# KiCad board OTTOdiy_SMD.kicad_pcb
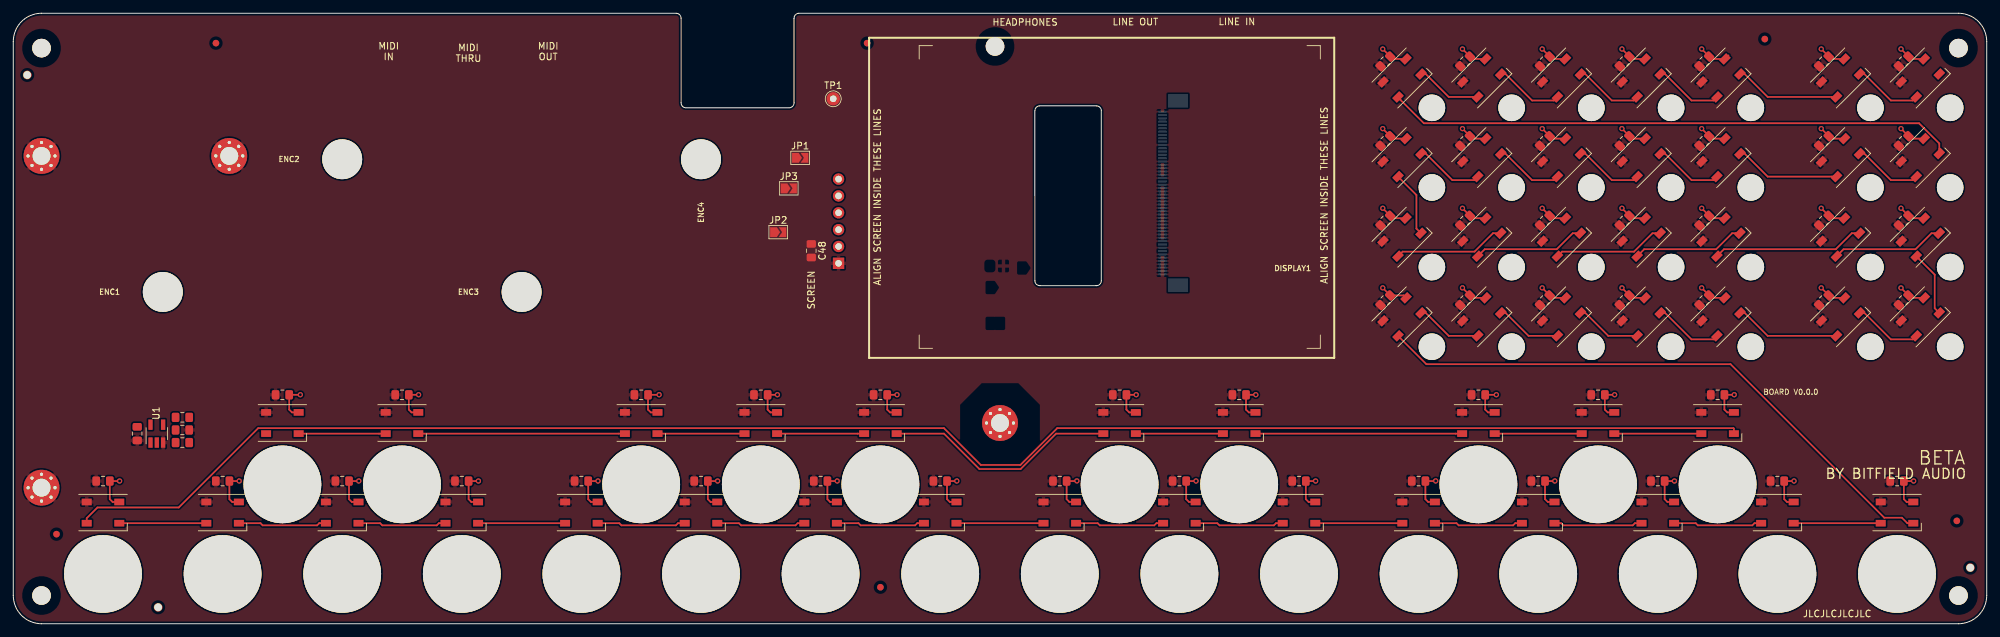
[diagram p0: board, top side]
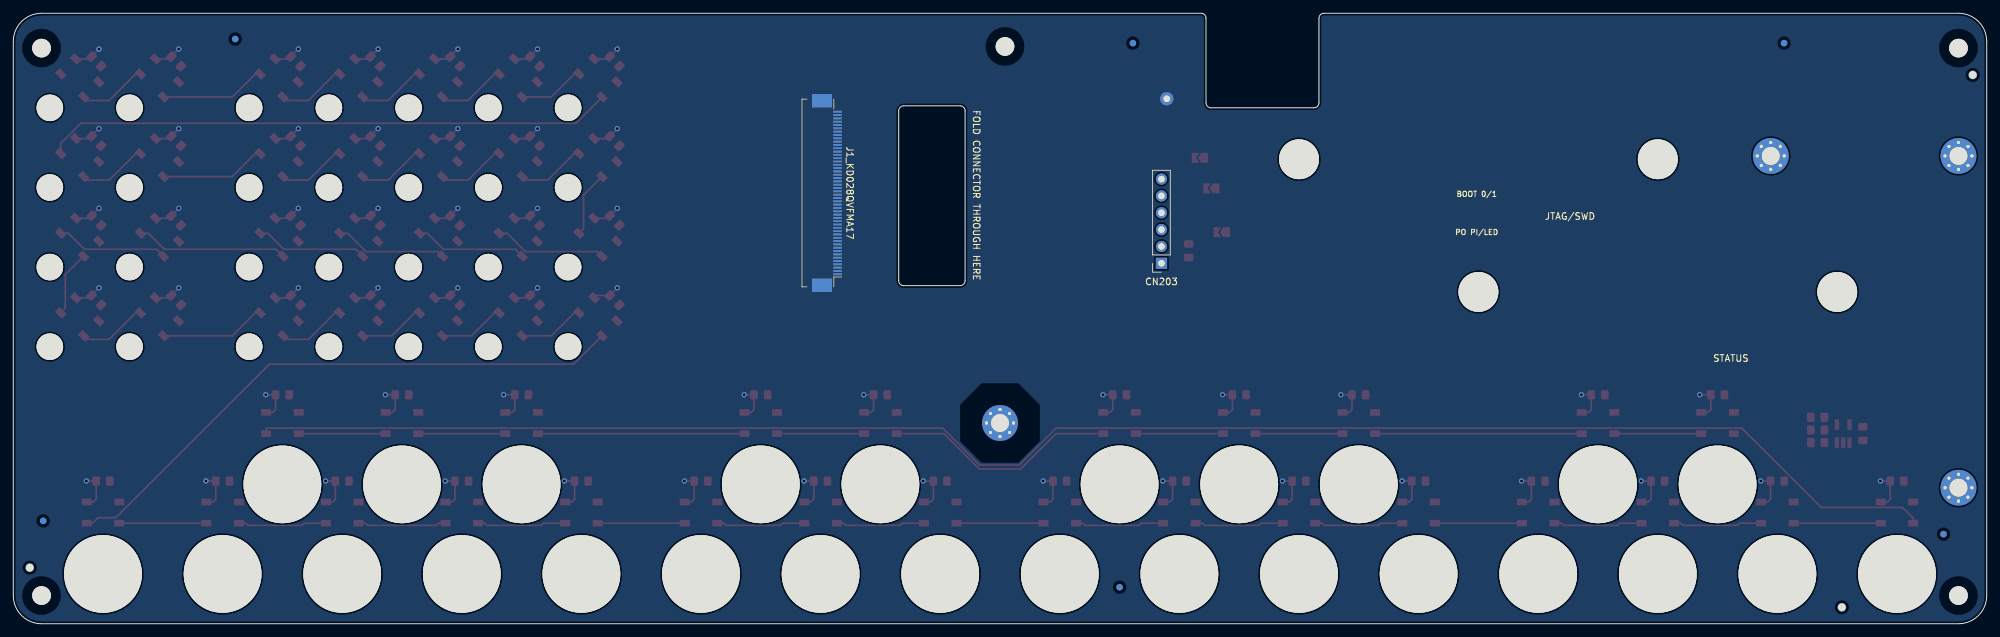
[diagram p1: board, bottom side, seen from below]

Outline 297 x 92 mm; copper layers: Top, Bottom. Coordinates in mm from the lower left corner of the outline.
Outline path: 0,87.75 0,4.25 arc(1.24,1.24) 4.25,0 292.75,0 arc(295.76,1.24) 297,4.25 297,87.75 arc(295.76,90.76) 292.75,92 118.25,92 arc(117.72,91.78) 117.5,91.25 117.5,78.5 arc(117.28,77.97) 116.75,77.75 101.25,77.75 arc(100.72,77.97) 100.5,78.5 100.5,91.25 arc(100.28,91.78) 99.75,92 4.25,92 arc(1.24,90.76) 0,87.75 ; 153.75,77.3 153.75,51.7 arc(153.97,51.17) 154.5,50.95 163,50.95 arc(163.53,51.17) 163.75,51.7 163.75,77.3 arc(163.53,77.83) 163,78.05 154.5,78.05 arc(153.97,77.83) 153.75,77.3

## Placement (name value [footprint] x y rotation side)
C1  100nF  [C_0805_2012Metric_Pad1.15x1.40mm_HandSolder]  13.5 21.5 180 top
C2  100nF  [C_0805_2012Metric_Pad1.15x1.40mm_HandSolder]  31.5 21.5 180 top
C3  100nF  [C_0805_2012Metric_Pad1.15x1.40mm_HandSolder]  49.5 21.5 180 top
C4  100nF  [C_0805_2012Metric_Pad1.15x1.40mm_HandSolder]  67.5 21.5 180 top
C5  100nF  [C_0805_2012Metric_Pad1.15x1.40mm_HandSolder]  85.5 21.5 180 top
C6  100nF  [C_0805_2012Metric_Pad1.15x1.40mm_HandSolder]  103.5 21.5 180 top
C7  100nF  [C_0805_2012Metric_Pad1.15x1.40mm_HandSolder]  121.5 21.5 180 top
C8  100nF  [C_0805_2012Metric_Pad1.15x1.40mm_HandSolder]  139.5 21.5 180 top
C9  100nF  [C_0805_2012Metric_Pad1.15x1.40mm_HandSolder]  157.5 21.5 180 top
C10  100nF  [C_0805_2012Metric_Pad1.15x1.40mm_HandSolder]  175.5 21.5 180 top
C11  100nF  [C_0805_2012Metric_Pad1.15x1.40mm_HandSolder]  193.5 21.5 180 top
C12  100nF  [C_0805_2012Metric_Pad1.15x1.40mm_HandSolder]  211.5 21.5 180 top
C13  100nF  [C_0805_2012Metric_Pad1.15x1.40mm_HandSolder]  229.5 21.5 180 top
C14  100nF  [C_0805_2012Metric_Pad1.15x1.40mm_HandSolder]  247.5 21.5 180 top
C15  100nF  [C_0805_2012Metric_Pad1.15x1.40mm_HandSolder]  265.5 21.5 180 top
C16  100nF  [C_0805_2012Metric_Pad1.15x1.40mm_HandSolder]  283.5 21.5 180 top
C17  100nF  [C_0805_2012Metric_Pad1.15x1.40mm_HandSolder]  40.5 34.5 180 top
C18  100nF  [C_0805_2012Metric_Pad1.15x1.40mm_HandSolder]  58.5 34.5 180 top
C19  100nF  [C_0805_2012Metric_Pad1.15x1.40mm_HandSolder]  94.5 34.5 180 top
C20  100nF  [C_0805_2012Metric_Pad1.15x1.40mm_HandSolder]  112.5 34.5 180 top
C21  100nF  [C_0805_2012Metric_Pad1.15x1.40mm_HandSolder]  130.5 34.5 180 top
C22  100nF  [C_0805_2012Metric_Pad1.15x1.40mm_HandSolder]  166.5 34.5 180 top
C23  100nF  [C_0805_2012Metric_Pad1.15x1.40mm_HandSolder]  184.5 34.5 180 top
C24  100nF  [C_0805_2012Metric_Pad1.15x1.40mm_HandSolder]  220.5 34.5 180 top
C25  100nF  [C_0805_2012Metric_Pad1.15x1.40mm_HandSolder]  238.5 34.5 180 top
C26  100nF  [C_0805_2012Metric_Pad1.15x1.40mm_HandSolder]  256.5 34.5 180 top
C27  100nF  [C_0805_2012Metric_Pad1.15x1.40mm_HandSolder]  206.5 48.75 225 top
C28  100nF  [C_0805_2012Metric_Pad1.15x1.40mm_HandSolder]  218.5 48.75 225 top
C29  100nF  [C_0805_2012Metric_Pad1.15x1.40mm_HandSolder]  230.5 48.75 225 top
C30  100nF  [C_0805_2012Metric_Pad1.15x1.40mm_HandSolder]  242.5 48.75 225 top
C31  100nF  [C_0805_2012Metric_Pad1.15x1.40mm_HandSolder]  254.5 48.75 225 top
C32  100nF  [C_0805_2012Metric_Pad1.15x1.40mm_HandSolder]  272.5 48.75 225 top
C33  100nF  [C_0805_2012Metric_Pad1.15x1.40mm_HandSolder]  284.5 48.75 225 top
C34  100nF  [C_0805_2012Metric_Pad1.15x1.40mm_HandSolder]  206.5 60.75 225 top
C35  100nF  [C_0805_2012Metric_Pad1.15x1.40mm_HandSolder]  218.5 60.75 225 top
C36  100nF  [C_0805_2012Metric_Pad1.15x1.40mm_HandSolder]  230.5 60.75 225 top
C37  100nF  [C_0805_2012Metric_Pad1.15x1.40mm_HandSolder]  242.5 60.75 225 top
C38  100nF  [C_0805_2012Metric_Pad1.15x1.40mm_HandSolder]  254.5 60.75 225 top
C39  100nF  [C_0805_2012Metric_Pad1.15x1.40mm_HandSolder]  272.5 60.75 225 top
C40  100nF  [C_0805_2012Metric_Pad1.15x1.40mm_HandSolder]  284.5 60.75 225 top
C41  100nF  [C_0805_2012Metric_Pad1.15x1.40mm_HandSolder]  206.5 72.75 225 top
C42  100nF  [C_0805_2012Metric_Pad1.15x1.40mm_HandSolder]  218.5 72.75 225 top
C43  100nF  [C_0805_2012Metric_Pad1.15x1.40mm_HandSolder]  230.5 72.75 225 top
C44  100nF  [C_0805_2012Metric_Pad1.15x1.40mm_HandSolder]  242.5 72.75 225 top
C45  100nF  [C_0805_2012Metric_Pad1.15x1.40mm_HandSolder]  254.5 72.75 225 top
C46  100nF  [C_0805_2012Metric_Pad1.15x1.40mm_HandSolder]  272.5 72.75 225 top
C47  100nF  [C_0805_2012Metric_Pad1.15x1.40mm_HandSolder]  284.5 72.75 225 top
C48  100nF  [C_0805_2012Metric_Pad1.15x1.40mm_HandSolder]  120.1 56.21 270 top
C78  100nF  [C_0805_2012Metric_Pad1.15x1.40mm_HandSolder]  18.65 28.65 270 top
C99  100nF  [C_0805_2012Metric_Pad1.15x1.40mm_HandSolder]  206.5 84.75 225 top
C100  100nF  [C_0805_2012Metric_Pad1.15x1.40mm_HandSolder]  218.5 84.75 225 top
C101  100nF  [C_0805_2012Metric_Pad1.15x1.40mm_HandSolder]  230.5 84.75 225 top
C102  100nF  [C_0805_2012Metric_Pad1.15x1.40mm_HandSolder]  242.5 84.75 225 top
C103  100nF  [C_0805_2012Metric_Pad1.15x1.40mm_HandSolder]  254.5 84.75 225 top
C104  100nF  [C_0805_2012Metric_Pad1.15x1.40mm_HandSolder]  272.5 84.75 225 top
C105  100nF  [C_0805_2012Metric_Pad1.15x1.40mm_HandSolder]  284.5 84.75 225 top
CN203  Conn_01x06  [PinSocket_1x06_P2.54mm_Vertical]  124.2 54.31 0 bottom
DISPLAY1  2.8 Inch IPS Display, SPI Interface  [2.8_INCH_IPS_DISPLAY]  163.8 77.31 180 top
ENC1  ALPS EC11E183440C  [ALPS_EC11]  22.5 50 0 top
ENC2  ALPS EC11E183440C  [ALPS_EC11]  49.5 70 0 top
ENC3  ALPS EC11E183440C  [ALPS_EC11]  76.5 50 0 top
ENC4  ALPS EC11E183440C  [ALPS_EC11]  103.5 70 90 top
FID1  Fiducial  [Fiducial_1mm_Mask2mm]  30.5 87.5 0 top
FID2  Fiducial  [Fiducial_1mm_Mask2mm]  6.5 13.5 0 top
FID3  Fiducial  [Fiducial_1mm_Mask2mm]  128.5 87.5 0 top
FID4  Fiducial  [Fiducial_1mm_Mask2mm]  130.5 5.5 0 top
FID5  Fiducial  [Fiducial_1mm_Mask2mm]  263.6 88.11 0 top
FID6  Fiducial  [Fiducial_1mm_Mask2mm]  292.5 15.5 0 top
FID7  Fiducial  [Fiducial_1mm_Mask2mm]  30.5 87.5 0 bottom
FID8  Fiducial  [Fiducial_1mm_Mask2mm]  6.5 13.5 0 bottom
FID9  Fiducial  [Fiducial_1mm_Mask2mm]  128.5 87.5 0 bottom
FID10  Fiducial  [Fiducial_1mm_Mask2mm]  130.5 5.5 0 bottom
FID11  Fiducial  [Fiducial_1mm_Mask2mm]  263.6 88.11 0 bottom
FID12  Fiducial  [Fiducial_1mm_Mask2mm]  292.5 15.5 0 bottom
H1  Tooling Hole  [JLC_TOOLING_HOLE]  2.1 82.7 0 top
H2  Tooling Hole  [JLC_TOOLING_HOLE]  21.8 2.47 0 top
H3  Tooling Hole  [JLC_TOOLING_HOLE]  294.52 8.45 0 top
H201  MountingHole  [Mounting_Hole_M2.5_Loose_Fit]  4.25 4.25 0 top
H202  MountingHole  [Mounting_Hole_M2.5_Loose_Fit]  292.75 4.25 0 top
H203  MountingHole  [Mounting_Hole_M2.5_Loose_Fit]  147.75 87 0 top
H204  MountingHole  [Mounting_Hole_M2.5_Loose_Fit]  4.25 86.75 0 top
H205  MountingHole  [Mounting_Hole_M2.5_Loose_Fit]  292.75 86.75 0 top
H212  MountingHole_Pad  [MountingHole_2.7mm_Pad_Via]  148.5 30.25 0 top
H213  MountingHole_Pad  [MountingHole_2.7mm_Pad_Via]  4.25 70.5 0 top
H214  MountingHole_Pad  [MountingHole_2.7mm_Pad_Via]  32.5 70.5 0 top
H215  MountingHole_Pad  [MountingHole_2.7mm_Pad_Via]  4.25 20.5 0 top
J1_KD028QVFMA17  Conn_02x25_Counter_Clockwise  [F0501-B-50-20T-R]  173.6 64.91 270 bottom
JP1  Jumper_2_Open  [SolderJumper-2_P1.3mm_Open_TrianglePad1.0x1.5mm]  118.43 70.21 0 top
JP2  Jumper_2_Open  [SolderJumper-2_P1.3mm_Open_TrianglePad1.0x1.5mm]  115.13 59.01 0 top
JP3  Jumper_2_Open  [SolderJumper-2_P1.3mm_Open_TrianglePad1.0x1.5mm]  116.7 65.61 0 top
LED1  WS2812D-5  [LED_WS2812B_PLCC4_5.0x5.0mm_P3.2mm]  13.5 16.75 180 top
LED2  WS2812D-5  [LED_WS2812B_PLCC4_5.0x5.0mm_P3.2mm]  31.5 16.75 180 top
LED3  WS2812D-5  [LED_WS2812B_PLCC4_5.0x5.0mm_P3.2mm]  49.5 16.75 180 top
LED4  WS2812D-5  [LED_WS2812B_PLCC4_5.0x5.0mm_P3.2mm]  67.5 16.75 180 top
LED5  WS2812D-5  [LED_WS2812B_PLCC4_5.0x5.0mm_P3.2mm]  85.5 16.75 180 top
LED6  WS2812D-5  [LED_WS2812B_PLCC4_5.0x5.0mm_P3.2mm]  103.5 16.75 180 top
LED7  WS2812D-5  [LED_WS2812B_PLCC4_5.0x5.0mm_P3.2mm]  121.5 16.75 180 top
LED8  WS2812D-5  [LED_WS2812B_PLCC4_5.0x5.0mm_P3.2mm]  139.5 16.75 180 top
LED9  WS2812D-5  [LED_WS2812B_PLCC4_5.0x5.0mm_P3.2mm]  157.5 16.75 180 top
LED10  WS2812D-5  [LED_WS2812B_PLCC4_5.0x5.0mm_P3.2mm]  175.5 16.75 180 top
LED11  WS2812D-5  [LED_WS2812B_PLCC4_5.0x5.0mm_P3.2mm]  193.5 16.75 180 top
LED12  WS2812D-5  [LED_WS2812B_PLCC4_5.0x5.0mm_P3.2mm]  211.5 16.75 180 top
LED13  WS2812D-5  [LED_WS2812B_PLCC4_5.0x5.0mm_P3.2mm]  229.5 16.75 180 top
LED14  WS2812D-5  [LED_WS2812B_PLCC4_5.0x5.0mm_P3.2mm]  247.5 16.75 180 top
LED15  WS2812D-5  [LED_WS2812B_PLCC4_5.0x5.0mm_P3.2mm]  265.5 16.75 180 top
LED16  WS2812D-5  [LED_WS2812B_PLCC4_5.0x5.0mm_P3.2mm]  283.5 16.75 180 top
LED17  WS2812D-5  [LED_WS2812B_PLCC4_5.0x5.0mm_P3.2mm]  40.5 30.25 180 top
LED18  WS2812D-5  [LED_WS2812B_PLCC4_5.0x5.0mm_P3.2mm]  58.5 30.25 180 top
LED19  WS2812D-5  [LED_WS2812B_PLCC4_5.0x5.0mm_P3.2mm]  94.5 30.25 180 top
LED20  WS2812D-5  [LED_WS2812B_PLCC4_5.0x5.0mm_P3.2mm]  112.5 30.25 180 top
LED21  WS2812D-5  [LED_WS2812B_PLCC4_5.0x5.0mm_P3.2mm]  130.5 30.25 180 top
LED22  WS2812D-5  [LED_WS2812B_PLCC4_5.0x5.0mm_P3.2mm]  166.5 30.25 180 top
LED23  WS2812D-5  [LED_WS2812B_PLCC4_5.0x5.0mm_P3.2mm]  184.5 30.25 180 top
LED24  WS2812D-5  [LED_WS2812B_PLCC4_5.0x5.0mm_P3.2mm]  220.5 30.25 180 top
LED25  WS2812D-5  [LED_WS2812B_PLCC4_5.0x5.0mm_P3.2mm]  238.5 30.25 180 top
LED26  WS2812D-5  [LED_WS2812B_PLCC4_5.0x5.0mm_P3.2mm]  256.5 30.25 180 top
LED27  WS2812D-5  [LED_WS2812B_PLCC4_5.0x5.0mm_P3.2mm]  209 46.25 225 top
LED28  WS2812D-5  [LED_WS2812B_PLCC4_5.0x5.0mm_P3.2mm]  221 46.25 225 top
LED29  WS2812D-5  [LED_WS2812B_PLCC4_5.0x5.0mm_P3.2mm]  233 46.25 225 top
LED30  WS2812D-5  [LED_WS2812B_PLCC4_5.0x5.0mm_P3.2mm]  245 46.25 225 top
LED31  WS2812D-5  [LED_WS2812B_PLCC4_5.0x5.0mm_P3.2mm]  257 46.25 225 top
LED32  WS2812D-5  [LED_WS2812B_PLCC4_5.0x5.0mm_P3.2mm]  275 46.25 225 top
LED33  WS2812D-5  [LED_WS2812B_PLCC4_5.0x5.0mm_P3.2mm]  287 46.25 225 top
LED34  WS2812D-5  [LED_WS2812B_PLCC4_5.0x5.0mm_P3.2mm]  209 58.25 225 top
LED35  WS2812D-5  [LED_WS2812B_PLCC4_5.0x5.0mm_P3.2mm]  221 58.25 225 top
LED36  WS2812D-5  [LED_WS2812B_PLCC4_5.0x5.0mm_P3.2mm]  233 58.25 225 top
LED37  WS2812D-5  [LED_WS2812B_PLCC4_5.0x5.0mm_P3.2mm]  245 58.25 225 top
LED38  WS2812D-5  [LED_WS2812B_PLCC4_5.0x5.0mm_P3.2mm]  257 58.25 225 top
LED39  WS2812D-5  [LED_WS2812B_PLCC4_5.0x5.0mm_P3.2mm]  275 58.25 225 top
LED40  WS2812D-5  [LED_WS2812B_PLCC4_5.0x5.0mm_P3.2mm]  287 58.25 225 top
LED41  WS2812D-5  [LED_WS2812B_PLCC4_5.0x5.0mm_P3.2mm]  209 70.25 225 top
LED42  WS2812D-5  [LED_WS2812B_PLCC4_5.0x5.0mm_P3.2mm]  221 70.25 225 top
LED43  WS2812D-5  [LED_WS2812B_PLCC4_5.0x5.0mm_P3.2mm]  233 70.25 225 top
LED44  WS2812D-5  [LED_WS2812B_PLCC4_5.0x5.0mm_P3.2mm]  245 70.25 225 top
LED45  WS2812D-5  [LED_WS2812B_PLCC4_5.0x5.0mm_P3.2mm]  257 70.25 225 top
LED46  WS2812D-5  [LED_WS2812B_PLCC4_5.0x5.0mm_P3.2mm]  275 70.25 225 top
LED47  WS2812D-5  [LED_WS2812B_PLCC4_5.0x5.0mm_P3.2mm]  287 70.25 225 top
LED48  WS2812D-5  [LED_WS2812B_PLCC4_5.0x5.0mm_P3.2mm]  209 82.25 225 top
LED49  WS2812D-5  [LED_WS2812B_PLCC4_5.0x5.0mm_P3.2mm]  221 82.25 225 top
LED50  WS2812D-5  [LED_WS2812B_PLCC4_5.0x5.0mm_P3.2mm]  233 82.25 225 top
LED51  WS2812D-5  [LED_WS2812B_PLCC4_5.0x5.0mm_P3.2mm]  245 82.25 225 top
LED52  WS2812D-5  [LED_WS2812B_PLCC4_5.0x5.0mm_P3.2mm]  257 82.25 225 top
LED53  WS2812D-5  [LED_WS2812B_PLCC4_5.0x5.0mm_P3.2mm]  275 82.25 225 top
LED54  WS2812D-5  [LED_WS2812B_PLCC4_5.0x5.0mm_P3.2mm]  287 82.25 225 top
R11  100k  [R_0805_2012Metric_Pad1.15x1.40mm_HandSolder]  25.45 29.2 0 top
R27  100  [R_0805_2012Metric_Pad1.15x1.40mm_HandSolder]  25.45 27.3 180 top
R208  100  [R_0805_2012Metric_Pad1.15x1.40mm_HandSolder]  25.45 31.1 180 top
SW1  ALPS SKHC  [ALPS_SKHC]  13.5 7.5 270 top
SW2  ALPS SKHC  [ALPS_SKHC]  31.5 7.5 180 top
SW3  ALPS SKHC  [ALPS_SKHC]  49.5 7.5 180 top
SW4  ALPS SKHC  [ALPS_SKHC]  67.5 7.5 180 top
SW5  ALPS SKHC  [ALPS_SKHC]  85.5 7.5 180 top
SW6  ALPS SKHC  [ALPS_SKHC]  103.5 7.5 180 top
SW7  ALPS SKHC  [ALPS_SKHC]  121.5 7.5 180 top
SW8  ALPS SKHC  [ALPS_SKHC]  139.5 7.5 180 top
SW9  ALPS SKHC  [ALPS_SKHC]  157.5 7.5 180 top
SW10  ALPS SKHC  [ALPS_SKHC]  175.5 7.5 180 top
SW11  ALPS SKHC  [ALPS_SKHC]  193.5 7.5 180 top
SW12  ALPS SKHC  [ALPS_SKHC]  211.5 7.5 180 top
SW13  ALPS SKHC  [ALPS_SKHC]  229.5 7.5 180 top
SW14  ALPS SKHC  [ALPS_SKHC]  247.5 7.5 180 top
SW15  ALPS SKHC  [ALPS_SKHC]  265.5 7.5 180 top
SW16  ALPS SKHC  [ALPS_SKHC]  283.5 7.5 270 top
SW17  ALPS SKHC  [ALPS_SKHC]  40.5 21 270 top
SW18  ALPS SKHC  [ALPS_SKHC]  58.5 21 270 top
SW19  ALPS SKHC  [ALPS_SKHC]  94.5 21 270 top
SW20  ALPS SKHC  [ALPS_SKHC]  112.5 21 270 top
SW21  ALPS SKHC  [ALPS_SKHC]  130.5 21 270 top
SW22  ALPS SKHC  [ALPS_SKHC]  166.5 21 270 top
SW23  ALPS SKHC  [ALPS_SKHC]  184.5 21 270 top
SW24  ALPS SKHC  [ALPS_SKHC]  220.5 21 270 top
SW25  ALPS SKHC  [ALPS_SKHC]  238.5 21 270 top
SW26  ALPS SKHC  [ALPS_SKHC]  256.5 21 270 top
SW27  6x6x13mm  [6x6mm_Switch]  213.5 41.75 45 top
SW28  6x6x13mm  [6x6mm_Switch]  225.5 41.75 45 top
SW29  6x6x13mm  [6x6mm_Switch]  237.5 41.75 45 top
SW30  6x6x13mm  [6x6mm_Switch]  249.5 41.75 45 top
SW31  6x6x13mm  [6x6mm_Switch]  261.5 41.75 45 top
SW32  6x6x13mm  [6x6mm_Switch]  279.5 41.75 45 top
SW33  6x6x13mm  [6x6mm_Switch]  291.5 41.75 45 top
SW34  6x6x13mm  [6x6mm_Switch]  213.5 53.75 45 top
SW35  6x6x13mm  [6x6mm_Switch]  225.5 53.75 45 top
SW36  6x6x13mm  [6x6mm_Switch]  237.5 53.75 45 top
SW37  6x6x13mm  [6x6mm_Switch]  249.5 53.75 45 top
SW38  6x6x13mm  [6x6mm_Switch]  261.5 53.75 45 top
SW39  6x6x13mm  [6x6mm_Switch]  279.5 53.75 45 top
SW40  6x6x13mm  [6x6mm_Switch]  291.5 53.75 45 top
SW41  6x6x13mm  [6x6mm_Switch]  213.5 65.75 45 top
SW42  6x6x13mm  [6x6mm_Switch]  225.5 65.75 45 top
SW43  6x6x13mm  [6x6mm_Switch]  237.5 65.75 45 top
SW44  6x6x13mm  [6x6mm_Switch]  249.5 65.75 45 top
SW45  6x6x13mm  [6x6mm_Switch]  261.5 65.75 45 top
SW46  6x6x13mm  [6x6mm_Switch]  279.5 65.75 45 top
SW47  6x6x13mm  [6x6mm_Switch]  291.5 65.75 45 top
SW50  6x6x13mm  [6x6mm_Switch]  213.5 77.75 45 top
SW51  6x6x13mm  [6x6mm_Switch]  225.5 77.75 45 top
SW52  6x6x13mm  [6x6mm_Switch]  237.5 77.75 45 top
SW53  6x6x13mm  [6x6mm_Switch]  249.5 77.75 45 top
SW54  6x6x13mm  [6x6mm_Switch]  261.5 77.75 45 top
SW55  6x6x13mm  [6x6mm_Switch]  279.5 77.75 45 top
SW56  6x6x13mm  [6x6mm_Switch]  291.5 77.75 45 top
TP1  TestPoint  [TestPoint_THTPad_D2.0mm_Drill1.0mm]  123.4 79.11 0 top
U1  SN74LV1T34_SOT-23_A  [SOT-23-5_HandSoldering]  21.6 28.65 90 top

## Footprints (pads in the part's own frame, mm; a bottom-side part is the same pattern mirrored in y, then rotated)
6x6mm_Switch
  round 4 hole 4 unplated: (0,0)
ALPS_EC11
  round 6 hole 6 unplated: (0,0)
ALPS_SKHC
  round 11.7 hole 11.7 unplated: (0,0)
C_0805_2012Metric_Pad1.15x1.40mm_HandSolder
  rrect 1.15x1.4 smd: 1(-1.025,0) 2(1.025,0)
F0501-B-50-20T-R
  rect 0.3x1.3 smd: 1(12.25,0.65) 2(11.75,0.65) 3(11.25,0.65) 4(10.75,0.65) 5(10.25,0.65) 6(9.75,0.65) 7(9.25,0.65) 8(8.75,0.65) 9(8.25,0.65) 10(7.75,0.65) 11(7.25,0.65) 12(6.75,0.65) 13(6.25,0.65) 14(5.75,0.65) 15(5.25,0.65) 16(4.75,0.65) 17(4.25,0.65) 18(3.75,0.65) 19(3.25,0.65) 20(2.75,0.65) 21(2.25,0.65) 22(1.75,0.65) 23(1.25,0.65) 24(0.75,0.65) 25(0.25,0.65) 26(-0.25,0.65) 27(-0.75,0.65) 28(-1.25,0.65) 29(-1.75,0.65) 30(-2.25,0.65) 31(-2.75,0.65) 32(-3.25,0.65) 33(-3.75,0.65) 34(-4.25,0.65) 35(-4.75,0.65) 36(-5.25,0.65) 37(-5.75,0.65) 38(-6.25,0.65) 39(-6.75,0.65) 40(-7.25,0.65) 41(-7.75,0.65) 42(-8.25,0.65) 43(-8.75,0.65) 44(-9.25,0.65) 45(-9.75,0.65) 46(-10.25,0.65) 47(-10.75,0.65) 48(-11.25,0.65) 49(-11.75,0.65) 50(-12.25,0.65)
  rect 2x3 smd: MP(-13.9,-1.7) MP(13.9,-1.7)
Fiducial_1mm_Mask2mm
  round 1 smd: (0,0)
JLC_TOOLING_HOLE
  round 1.3 hole 1.152: 1(0,0)
LED_WS2812B_PLCC4_5.0x5.0mm_P3.2mm
  rect 1.5x1 smd: 1(-2.45,1.6) 2(-2.45,-1.6) 3(2.45,-1.6) 4(2.45,1.6)
Mounting_Hole_M2.5_Loose_Fit
  round 2.8 hole 2.8 unplated: (0,0)
MountingHole_2.7mm_Pad_Via
  round 0.8 hole 0.5: 1(-2.025,0) 1(-1.432,1.432) 1(-1.432,-1.432) 1(0,2.025) 1(0,-2.025) 1(1.432,1.432) 1(1.432,-1.432) 1(2.025,0)
  round 5.4 hole 2.7: 1(0,0)
PinSocket_1x06_P2.54mm_Vertical
  rect 1.7x1.7 hole 1: 1(0,0)
  oval 1.7x1.7 hole 1: 2(0,-2.54) 3(0,-5.08) 4(0,-7.62) 5(0,-10.16) 6(0,-12.7)
R_0805_2012Metric_Pad1.15x1.40mm_HandSolder
  rrect 1.15x1.4 smd: 1(-1.025,0) 2(1.025,0)
SolderJumper-2_P1.3mm_Open_TrianglePad1.0x1.5mm
  custom 1.5x1.5 smd: 1(-0.725,0)
  custom 1.15x1.5 smd: 2(0.725,0)
SOT-23-5_HandSoldering
  rect 1.56x0.65 smd: 1(-1.35,0.95) 2(-1.35,0) 3(-1.35,-0.95) 4(1.35,-0.95) 5(1.35,0.95)
TestPoint_THTPad_D2.0mm_Drill1.0mm
  round 2 hole 1: 1(0,0)

## Nets
3V3: C48.1 CN203.2 J1_KD028QVFMA17.6 J1_KD028QVFMA17.7 J1_KD028QVFMA17.8 J1_KD028QVFMA17.9 J1_KD028QVFMA17.10 J1_KD028QVFMA17.12 JP1.1
+5V_LEDS: C1.1 C2.1 C3.1 C4.1 C5.1 C6.1 C7.1 C8.1 C9.1 C10.1 C11.1 C12.1 C13.1 C14.1 C15.1 C16.1 C17.1 C18.1 C19.1 C20.1 C21.1 C22.1 C23.1 C24.1 C25.1 C26.1 C27.1 C28.1 C29.1 C30.1 C31.1 C32.1 C33.1 C34.1 C35.1 C36.1 C37.1 C38.1 C39.1 C40.1 C41.1 C42.1 C43.1 C44.1 C45.1 C46.1 C47.1 C78.1 C99.1 C100.1 C101.1 C102.1 C103.1 C104.1 C105.1 LED1.2 LED2.2 LED3.2 LED4.2 LED5.2 LED6.2 LED7.2 LED8.2 LED9.2 LED10.2 LED11.2 LED12.2 LED13.2 LED14.2 LED15.2 LED16.2 LED17.2 LED18.2 LED19.2 LED20.2 LED21.2 LED22.2 LED23.2 LED24.2 LED25.2 LED26.2 LED27.2 LED28.2 LED29.2 LED30.2 LED31.2 LED32.2 LED33.2 LED34.2 LED35.2 LED36.2 LED37.2 LED38.2 LED39.2 LED40.2 LED41.2 LED42.2 LED43.2 LED44.2 LED45.2 LED46.2 LED47.2 LED48.2 LED49.2 LED50.2 LED51.2 LED52.2 LED53.2 LED54.2 U1.5
GND: C1.2 C2.2 C3.2 C4.2 C5.2 C6.2 C7.2 C8.2 C9.2 C10.2 C11.2 C12.2 C13.2 C14.2 C15.2 C16.2 C17.2 C18.2 C19.2 C20.2 C21.2 C22.2 C23.2 C24.2 C25.2 C26.2 C27.2 C28.2 C29.2 C30.2 C31.2 C32.2 C33.2 C34.2 C35.2 C36.2 C37.2 C38.2 C39.2 C40.2 C41.2 C42.2 C43.2 C44.2 C45.2 C46.2 C47.2 C48.2 C78.2 C99.2 C100.2 C101.2 C102.2 C103.2 C104.2 C105.2 CN203.1 H212.1 H213.1 H214.1 H215.1 J1_KD028QVFMA17.1 J1_KD028QVFMA17.11 J1_KD028QVFMA17.16 J1_KD028QVFMA17.17 J1_KD028QVFMA17.18 J1_KD028QVFMA17.19 J1_KD028QVFMA17.20 J1_KD028QVFMA17.21 J1_KD028QVFMA17.23 J1_KD028QVFMA17.24 J1_KD028QVFMA17.25 J1_KD028QVFMA17.26 J1_KD028QVFMA17.27 J1_KD028QVFMA17.28 J1_KD028QVFMA17.29 J1_KD028QVFMA17.30 J1_KD028QVFMA17.31 J1_KD028QVFMA17.32 J1_KD028QVFMA17.33 J1_KD028QVFMA17.34 J1_KD028QVFMA17.35 J1_KD028QVFMA17.36 J1_KD028QVFMA17.37 J1_KD028QVFMA17.38 J1_KD028QVFMA17.39 J1_KD028QVFMA17.40 J1_KD028QVFMA17.42 J1_KD028QVFMA17.44 J1_KD028QVFMA17.45 J1_KD028QVFMA17.46 J1_KD028QVFMA17.47 J1_KD028QVFMA17.48 J1_KD028QVFMA17.49 J1_KD028QVFMA17.50 JP2.2 JP3.2 LED1.3 LED2.3 LED3.3 LED4.3 LED5.3 LED6.3 LED7.3 LED8.3 LED9.3 LED10.3 LED11.3 LED12.3 LED13.3 LED14.3 LED15.3 LED16.3 LED17.3 LED18.3 LED19.3 LED20.3 LED21.3 LED22.3 LED23.3 LED24.3 LED25.3 LED26.3 LED27.3 LED28.3 LED29.3 LED30.3 LED31.3 LED32.3 LED33.3 LED34.3 LED35.3 LED36.3 LED37.3 LED38.3 LED39.3 LED40.3 LED41.3 LED42.3 LED43.3 LED44.3 LED45.3 LED46.3 LED47.3 LED48.3 LED49.3 LED50.3 LED51.3 LED52.3 LED53.3 LED54.3 R11.2 U1.3
/MCU/LEDS/LED_CONN1: LED1.4 LED26.1
/MCU/LEDS/LED_CONN2: LED16.1 LED27.4
/MCU/LEDS/LED_CONN3: LED47.1 LED48.4
/MCU/LEDS/LED_IN: LED17.4 R208.1
/MCU/LEDS/LED_OUT: LED54.1 R27.1
/MCU/LEDS/SPI_MOSI_MCU_5V: R11.1 R27.2 R208.2 U1.4
BL_PWM: CN203.3 J1_KD028QVFMA17.43
RESET: J1_KD028QVFMA17.13 JP1.2 JP2.1 TP1.1
SPI_CS_RASPI: CN203.6 J1_KD028QVFMA17.14 JP3.1
SPI_MOSI_RASPI: CN203.4 J1_KD028QVFMA17.22
SPI_SCLK_RASPI: CN203.5 J1_KD028QVFMA17.15
Net-(LED1-Pad1): LED1.1 LED2.4
Net-(LED2-Pad1): LED2.1 LED3.4
Net-(LED3-Pad1): LED3.1 LED4.4
Net-(LED4-Pad1): LED4.1 LED5.4
Net-(LED5-Pad1): LED5.1 LED6.4
Net-(LED6-Pad1): LED6.1 LED7.4
Net-(LED7-Pad1): LED7.1 LED8.4
Net-(LED8-Pad1): LED8.1 LED9.4
Net-(LED10-Pad1): LED10.1 LED11.4
Net-(LED10-Pad4): LED9.1 LED10.4
Net-(LED11-Pad1): LED11.1 LED12.4
Net-(LED12-Pad1): LED12.1 LED13.4
Net-(LED13-Pad1): LED13.1 LED14.4
Net-(LED14-Pad1): LED14.1 LED15.4
Net-(LED15-Pad1): LED15.1 LED16.4
Net-(LED17-Pad1): LED17.1 LED18.4
Net-(LED18-Pad1): LED18.1 LED19.4
Net-(LED19-Pad1): LED19.1 LED20.4
Net-(LED20-Pad1): LED20.1 LED21.4
Net-(LED21-Pad1): LED21.1 LED22.4
Net-(LED22-Pad1): LED22.1 LED23.4
Net-(LED23-Pad1): LED23.1 LED24.4
Net-(LED24-Pad1): LED24.1 LED25.4
Net-(LED25-Pad1): LED25.1 LED26.4
Net-(LED27-Pad1): LED27.1 LED28.4
Net-(LED28-Pad1): LED28.1 LED29.4
Net-(LED29-Pad1): LED29.1 LED30.4
Net-(LED30-Pad1): LED30.1 LED31.4
Net-(LED31-Pad1): LED31.1 LED32.4
Net-(LED32-Pad1): LED32.1 LED33.4
Net-(LED33-Pad1): LED33.1 LED40.4
Net-(LED34-Pad1): LED34.1 LED41.4
Net-(LED34-Pad4): LED34.4 LED35.1
Net-(LED35-Pad4): LED35.4 LED36.1
Net-(LED36-Pad4): LED36.4 LED37.1
Net-(LED37-Pad4): LED37.4 LED38.1
Net-(LED38-Pad4): LED38.4 LED39.1
Net-(LED39-Pad4): LED39.4 LED40.1
Net-(LED41-Pad1): LED41.1 LED42.4
Net-(LED42-Pad1): LED42.1 LED43.4
Net-(LED43-Pad1): LED43.1 LED44.4
Net-(LED44-Pad1): LED44.1 LED45.4
Net-(LED45-Pad1): LED45.1 LED46.4
Net-(LED46-Pad1): LED46.1 LED47.4
Net-(LED48-Pad1): LED48.1 LED49.4
Net-(LED49-Pad1): LED49.1 LED50.4
Net-(LED50-Pad1): LED50.1 LED51.4
Net-(LED51-Pad1): LED51.1 LED52.4
Net-(LED52-Pad1): LED52.1 LED53.4
Net-(LED53-Pad1): LED53.1 LED54.4

Pads without a net: H1 1; H2 1; H3 1; J1_KD028QVFMA17 2 3 4 5 41 MP; U1 1 2

## Via types
v1: diameter 0.8, hole 0.45, Top to Bottom, 54 vias

## Routing (per net, layer and track width the routed paths; a pad name or vN(x,y) marks a point on that pad's centre or on a via; arc(x,y) is an arc through that point)
+5V_LEDS: length 263.4
  Top w0.254: LED8.2 140.95,18.35 140.53,18.77 C8.1 141.99,21.5 v1(142,21.51) ; LED6.2 104.95,18.35 104.53,18.77 C6.1 105.99,21.5 v1(106,21.51) ; v1(242.1,62.61) 243.22,61.49 C37.1 243.59,61.11 LED37.2 ; LED20.2 113.95,31.85 113.53,32.27 C20.1 114.99,34.5 v1(115,34.51) ; v1(242.1,74.61) 243.22,73.49 C44.1 243.59,73.11 LED44.2 ; LED31.2 255.59,49.11 C31.1 255.22,49.49 v1(254.1,50.61) ; LED9.2 158.95,18.35 158.53,18.77 C9.1 160.05,21.5 v1(160.07,21.52) ; LED15.2 266.95,18.35 266.52,18.77 C15.1 267.99,21.5 v1(268,21.51) ; LED16.2 284.95,18.35 284.52,18.77 C16.1 285.99,21.5 v1(286,21.51) ; v1(232,21.51) 231.99,21.5 C13.1 230.52,18.77 230.95,18.35 LED13.2 ; v1(242.1,50.61) 243.22,49.49 C30.1 243.59,49.11 LED30.2 ; LED23.2 185.95,31.85 185.53,32.27 C23.1 186.99,34.5 v1(187,34.51) ; 258.13,85.64 LED52.2 255.59,85.11 C103.1 255.22,85.49 v1(254.1,86.61) ; LED19.2 95.95,31.85 95.53,32.27 C19.1 97.19,34.5 v1(97.2,34.51) ; LED36.2 231.59,61.11 C36.1 231.22,61.49 v1(230.1,62.61) ; LED22.2 167.95,31.85 167.53,32.27 C22.1 168.99,34.5 v1(169,34.51) ; v1(218.1,86.61) 219.22,85.49 C100.1 219.59,85.11 LED49.2 ; LED53.2 273.59,85.11 C104.1 ; v1(124,21.51) 123.99,21.5 C7.1 122.53,18.77 122.95,18.35 LED7.2 ; v1(206.1,62.61) 207.22,61.49 C34.1 207.59,61.11 LED34.2 ; v1(284.1,50.61) 285.22,49.49 C33.1 285.59,49.11 LED33.2 ; LED39.2 273.59,61.11 C39.1 273.22,61.49 v1(272.1,62.61) ; LED11.2 194.95,18.35 194.53,18.77 C11.1 195.99,21.5 v1(196,21.51) ; LED12.2 212.95,18.35 212.53,18.77 C12.1 214.05,21.5 v1(214.07,21.52) ; v1(242.1,86.61) 243.22,85.49 C102.1 243.59,85.11 LED51.2 ; v1(34,21.51) 33.99,21.5 C2.1 32.53,18.77 32.95,18.35 LED2.2 ; LED42.2 219.59,73.11 C42.1 219.22,73.49 v1(218.1,74.61) ; LED10.2 176.95,18.35 176.53,18.77 C10.1 177.99,21.5 v1(178,21.51) ; LED29.2 231.59,49.11 C29.1 231.22,49.49 v1(230.1,50.61) ; v1(206.1,74.61) 207.22,73.49 C41.1 207.59,73.11 LED41.2 ; C104.1 273.22,85.49 v1(272.1,86.61) ; C104.1 273.06,85.64 ; LED1.2 14.95,18.35 14.52,18.77 C1.1 15.99,21.5 v1(16,21.51) ; LED17.2 41.95,31.85 41.53,32.27 C17.1 43.19,34.5 v1(43.2,34.51) ; v1(254.1,74.61) 255.22,73.49 C45.1 255.59,73.11 LED45.2 ; LED14.2 248.95,18.35 248.52,18.77 C14.1 249.99,21.5 v1(250,21.51) ; v1(218.1,62.61) 219.22,61.49 C35.1 219.59,61.11 LED35.2 ; v1(133,34.51) 132.99,34.5 C21.1 131.53,32.27 131.95,31.85 LED21.2 ; v1(88,21.51) 87.99,21.5 C5.1 86.53,18.77 86.95,18.35 LED5.2 ; LED47.2 285.59,73.11 C47.1 285.22,73.49 v1(284.1,74.61) ; v1(272.1,74.61) 273.22,73.49 C46.1 273.59,73.11 LED46.2 ; LED26.2 257.95,31.85 257.52,32.27 C26.1 258.99,34.5 v1(259,34.51) ; LED18.2 59.95,31.85 59.53,32.27 C18.1 60.99,34.5 v1(61,34.51) ; LED24.2 221.95,31.85 221.52,32.27 C24.1 223.19,34.5 v1(223.2,34.51) ; LED4.2 68.95,18.35 68.53,18.77 C4.1 69.99,21.5 v1(70,21.51) ; LED43.2 231.59,73.11 C43.1 231.22,73.49 v1(230.1,74.61) ; LED27.2 209.24,49.47 C27.1 207.22,49.49 v1(206.1,50.61) ; v1(230.1,86.61) 231.22,85.49 C101.1 231.59,85.11 LED50.2 ; LED32.2 273.59,49.11 C32.1 273.22,49.49 v1(272.1,50.61) ; LED25.2 239.95,31.85 239.52,32.27 C25.1 240.99,34.5 v1(241,34.51) ; LED54.2 285.59,85.11 C105.1 285.22,85.49 v1(284.1,86.61) ; v1(254.1,62.61) 255.22,61.49 C38.1 255.59,61.11 LED38.2 ; v1(218.1,50.61) 219.22,49.49 C28.1 219.59,49.11 LED28.2 ; LED48.2 207.59,85.11 C99.1 207.22,85.49 v1(206.1,86.61) ; v1(284.1,62.61) 285.22,61.49 C40.1 285.59,61.11 LED40.2 ; LED3.2 50.95,18.35 50.53,18.77 C3.1 51.99,21.5 v1(52,21.51)
/MCU/LEDS/LED_CONN1: length 259.7
  Top w0.254: LED26.1 258.95,29.4 258.88,29.48 157.12,29.48 151.57,23.92 145.61,23.92 140.06,29.48 36.86,29.48 24.91,17.52 12.67,17.52 11.05,15.9 LED1.4
/MCU/LEDS/LED_CONN2: length 89.2
  Top w0.254: LED16.1 285.06,15.15 284.24,15.98 281.58,15.98 258.45,39.11 212.67,39.11 LED27.4
/MCU/LEDS/LED_CONN3: length 85.9
  Top w0.254: LED48.4 208.75,79.03 208.75,78.96 212.29,75.42 286.81,75.42 289.86,72.37 LED47.1
Net-(LED1-Pad1): length 13.1
  Top w0.254: LED1.1 LED2.4
Net-(LED2-Pad1): length 13.4
  Top w0.254: LED3.4 46.05,15.15 45.72,14.82 37.54,14.82 37.21,15.15 LED2.1
Net-(LED3-Pad1): length 13.4
  Top w0.254: LED3.1 55.21,15.15 55.54,14.82 63.72,14.82 64.05,15.15 LED4.4
Net-(LED4-Pad1): length 13.1
  Top w0.254: LED4.1 LED5.4
Net-(LED5-Pad1): length 13.4
  Top w0.254: LED6.4 100.05,15.15 99.72,14.82 91.54,14.82 91.21,15.15 LED5.1
Net-(LED6-Pad1): length 13.4
  Top w0.254: LED7.4 118.05,15.15 117.72,14.82 109.54,14.82 109.21,15.15 LED6.1
Net-(LED7-Pad1): length 13.4
  Top w0.254: LED7.1 127.21,15.15 127.54,14.82 135.72,14.82 136.05,15.15 LED8.4
Net-(LED8-Pad1): length 13.1
  Top w0.254: LED8.1 LED9.4
Net-(LED10-Pad1): length 13.4
  Top w0.254: LED11.4 190.05,15.15 189.72,14.82 181.54,14.82 181.21,15.15 LED10.1
Net-(LED10-Pad4): length 13.4
  Top w0.254: LED9.1 163.21,15.15 163.54,14.82 171.72,14.82 172.05,15.15 LED10.4
Net-(LED11-Pad1): length 13.1
  Top w0.254: LED11.1 LED12.4
Net-(LED12-Pad1): length 13.4
  Top w0.254: LED12.1 217.21,15.15 217.54,14.82 225.72,14.82 226.05,15.15 LED13.4
Net-(LED13-Pad1): length 13.4
  Top w0.254: LED14.4 244.05,15.15 243.72,14.82 233.28,14.82 232.95,15.15 LED13.1
Net-(LED14-Pad1): length 13.4
  Top w0.254: LED15.4 262.05,15.15 261.72,14.82 253.54,14.82 253.21,15.15 LED14.1
Net-(LED15-Pad1): length 13.1
  Top w0.254: LED15.1 LED16.4
Net-(LED17-Pad1): length 13.1
  Top w0.254: LED17.1 LED18.4
Net-(LED18-Pad1): length 31.1
  Top w0.254: LED18.1 LED19.4
Net-(LED19-Pad1): length 13.1
  Top w0.254: LED20.4 LED19.1
Net-(LED20-Pad1): length 13.1
  Top w0.254: LED20.1 LED21.4
Net-(LED21-Pad1): length 35.5
  Top w0.254: LED21.1 140.06,28.65 145.4,23.31 151.6,23.31 156.94,28.65 LED22.4
Net-(LED22-Pad1): length 13.1
  Top w0.254: LED23.4 LED22.1
Net-(LED23-Pad1): length 31.1
  Top w0.254: LED24.4 LED23.1
Net-(LED24-Pad1): length 13.1
  Top w0.254: LED24.1 LED25.4
Net-(LED25-Pad1): length 13.1
  Top w0.254: LED25.1 LED26.4
Net-(LED27-Pad1): length 10
  Top w0.254: LED28.4 216.04,43.39 212.57,46.85 LED27.1
Net-(LED28-Pad1): length 10
  Top w0.254: LED29.4 228.05,43.39 224.58,46.85 LED28.1
Net-(LED29-Pad1): length 10
  Top w0.254: LED29.1 236.58,46.85 240.05,43.39 LED30.4
Net-(LED30-Pad1): length 10.4
  Top w0.254: LED31.4 255.87,42.86 252.58,42.86 248.58,46.85 LED30.1
Net-(LED31-Pad1): length 16
  Top w0.254: LED31.1 260.57,46.85 264.04,43.39 LED32.4
Net-(LED32-Pad1): length 10.4
  Top w0.254: LED32.1 278.58,46.85 282.58,42.86 285.87,42.86 LED33.4
Net-(LED33-Pad1): length 10
  Top w0.254: LED33.1 289.17,47.54 289.17,52.61 LED40.4
Net-(LED34-Pad1): length 10
  Top w0.254: LED41.4 211.17,64.61 211.17,59.54 LED34.1
Net-(LED34-Pad4): length 16.9
  Top w0.254: LED34.4 209.09,56.08 219.92,56.08 222.69,58.85 LED35.1
Net-(LED35-Pad4): length 16.9
  Top w0.254: LED36.1 234.69,58.85 232.28,56.44 221.45,56.44 LED35.4
Net-(LED36-Pad4): length 16.9
  Top w0.254: LED36.4 233.09,56.08 243.92,56.08 246.69,58.85 LED37.1
Net-(LED37-Pad4): length 16.9
  Top w0.254: LED38.1 258.69,58.85 256.28,56.44 245.45,56.44 LED37.4
Net-(LED38-Pad4): length 22.9
  Top w0.254: LED38.4 257.45,56.44 274.28,56.44 276.69,58.85 LED39.1
Net-(LED39-Pad4): length 16.9
  Top w0.254: LED39.4 275.45,56.44 286.28,56.44 288.69,58.85 LED40.1
Net-(LED41-Pad1): length 10.4
  Top w0.254: LED42.4 219.87,66.86 216.58,66.86 212.58,70.85 LED41.1
Net-(LED42-Pad1): length 10.4
  Top w0.254: LED42.1 224.57,70.85 228.57,66.86 231.87,66.86 LED43.4
Net-(LED43-Pad1): length 10.4
  Top w0.254: LED44.4 243.87,66.86 240.58,66.86 236.58,70.85 LED43.1
Net-(LED44-Pad1): length 10.4
  Top w0.254: LED44.1 248.58,70.85 252.58,66.86 255.87,66.86 LED45.4
Net-(LED45-Pad1): length 16
  Top w0.254: LED46.4 264.04,67.39 260.57,70.85 LED45.1
Net-(LED46-Pad1): length 10.4
  Top w0.254: LED47.4 285.87,66.86 282.58,66.86 278.58,70.85 LED46.1
Net-(LED48-Pad1): length 10
  Top w0.254: LED49.4 216.04,79.39 212.57,82.85 LED48.1
Net-(LED49-Pad1): length 10.4
  Top w0.254: LED50.4 231.87,78.86 228.58,78.86 224.58,82.85 LED49.1
Net-(LED50-Pad1): length 10.4
  Top w0.254: LED50.1 236.58,82.85 240.58,78.86 243.87,78.86 LED51.4
Net-(LED51-Pad1): length 10.4
  Top w0.254: LED51.1 248.58,82.85 252.58,78.86 255.87,78.86 LED52.4
Net-(LED52-Pad1): length 16
  Top w0.254: LED53.4 264.04,79.39 260.57,82.85 LED52.1
Net-(LED53-Pad1): length 10.4
  Top w0.254: LED54.4 285.87,78.86 282.58,78.86 278.58,82.85 LED53.1

## Copper pours and planes (outline as drawn; the poured copper is in the pictures)
+5V_LEDS on Bottom: 299.5,-7.4 -6.4,-7.4 -6.4,94.4 299.5,94.4
GND on Top: 301.2,-5.1 -4.2,-5.1 -4.2,96.2 301.2,96.2

## Text on the board
B.SilkS: BOOT 0/1 | PO PI/LED | STATUS | JTAG/SWD
F.SilkS: BOARD V0.0.0 | MIDI / IN | MIDI / THRU | MIDI / OUT | HEADPHONES | LINE OUT | LINE IN | JLCJLCJLCJLC | SCREEN | BY BITFIELD AUDIO | BETA
